# Altium PCB 19_2_Coupled_PP0.PcbDoc (part 5 of 5)
Units mil, origin at the board's own origin, x right, y up, seen from the top; angles counter-clockwise.
Board outline 3937.01 x 10826.77 mil, 10 copper layers (Layer_1 Top, Layer_2 GND Plane 1, Layer_3 Signal inner 1, Layer_4 Power Plane 1, Layer_5  Signal inner 2, Layer_6 GND Plane 2, Layer_7 Signal inner 3, Layer_8 Power Plane 2, Layer_9 GND Plane 3, Layer_10 Bottom), stack 69.4 mil thick; 120 components, 283 nets, 1231 pads, 1956 vias.
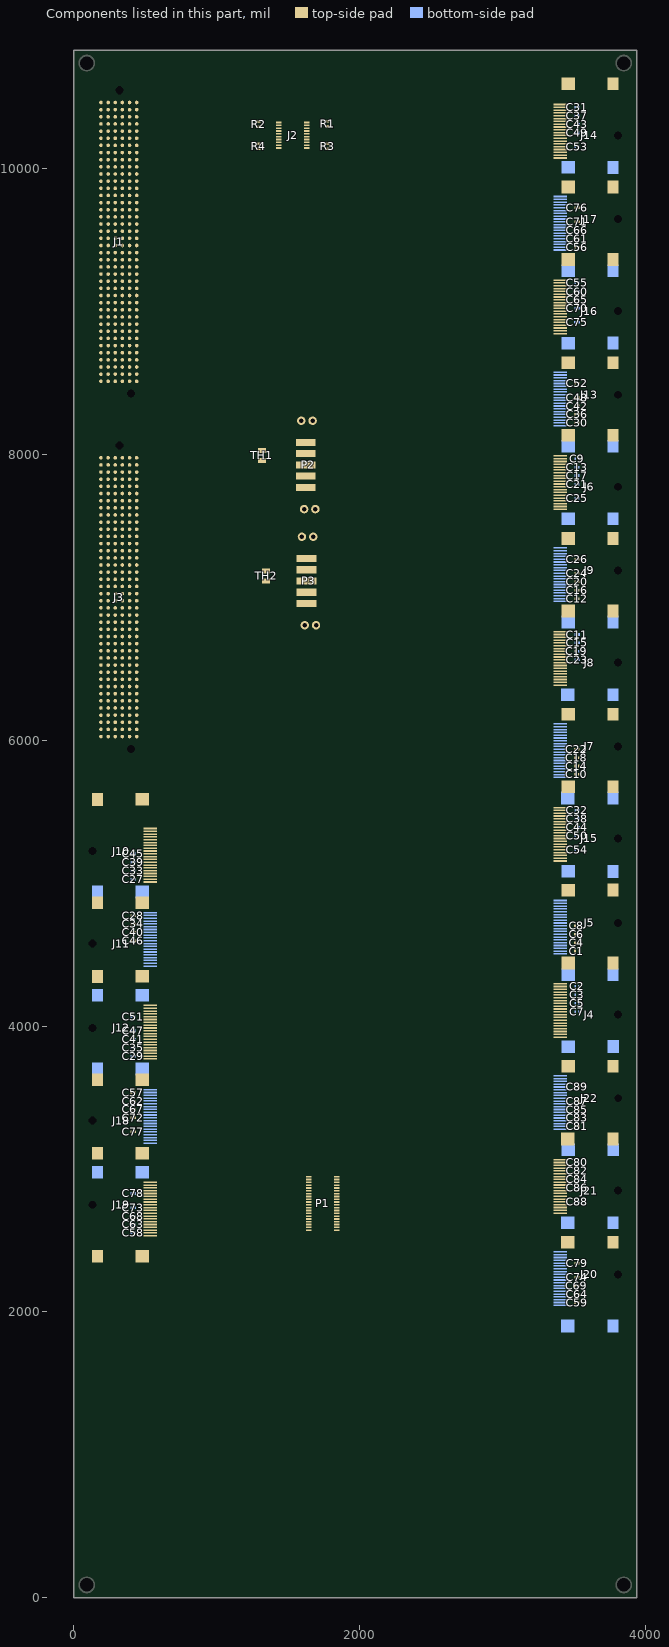
[diagram p13: the components of this part, seen from the top]

## Silkscreen, mask and mechanical layers (free items; w line width, h text height) (continued)
Drill Drawing:
  drawing of 690 lines, arcs and shapes, not listed
  text "Symbol" at -39.5,12422.5 h72
  text "Count" at 466.38,12422.5 h72
  text "Hole Size" at 1106.2,12422.5 h72
  text "Plated" at 2205.88,12422.5 h72
  text "Hole Type" at 2711.76,12422.5 h72
  text "Drill Layer Pair" at 3445.56,12422.5 h72
  text "Via/Pad" at 5235.02,12422.5 h72
  text "Pad Shape" at 5824.87,12422.5 h72
  text "Hole Tolerance (+)" at 6570.67,12422.5 h72
  text "Hole Tolerance (-)" at 7904.27,12422.5 h72
  text "1946" at 466.38,12272.5 h60
  text "0.152mm (6.00mil)" at 1106.2,12272.5 h60
  text "PTH" at 2205.88,12272.5 h60
  text "Round" at 2711.76,12272.5 h60
  text "Layer_1 Top - Layer_10 Bottom" at 3445.56,12272.5 h60
  text "Via" at 5235.02,12272.5 h60
  text "Rounded" at 5824.87,12272.5 h60
  text "8" at 466.38,12122.5 h60
  text "0.800mm (31.50mil)" at 1106.2,12122.5 h60
  text "PTH" at 2205.88,12122.5 h60
  text "Round" at 2711.76,12122.5 h60
  text "Layer_1 Top - Layer_10 Bottom" at 3445.56,12122.5 h60
  text "Pad" at 5235.02,12122.5 h60
  text "Rounded" at 5824.87,12122.5 h60
  text "10" at 466.38,11972.5 h60
  text "1.016mm (40.00mil)" at 1106.2,11972.5 h60
  text "PTH" at 2205.88,11972.5 h60
  text "Round" at 2711.76,11972.5 h60
  text "Layer_1 Top - Layer_10 Bottom" at 3445.56,11972.5 h60
  text "Via" at 5235.02,11972.5 h60
  text "Rounded" at 5824.87,11972.5 h60
  text "19" at 466.38,11822.5 h60
  text "1.400mm (55.12mil)" at 1106.2,11822.5 h60
  text "NPTH" at 2205.88,11822.5 h60
  text "Round" at 2711.76,11822.5 h60
  text "Layer_1 Top - Layer_10 Bottom" at 3445.56,11822.5 h60
  text "Pad" at 5235.02,11822.5 h60
  text "Rounded" at 5824.87,11822.5 h60
  text "4" at 466.38,11672.5 h60
  text "1.448mm (57.00mil)" at 1106.2,11672.5 h60
  text "NPTH" at 2205.88,11672.5 h60
  text "Round" at 2711.76,11672.5 h60
  text "Layer_1 Top - Layer_10 Bottom" at 3445.56,11672.5 h60
  text "Pad" at 5235.02,11672.5 h60
  text "Rounded" at 5824.87,11672.5 h60
  text "4" at 466.38,11522.5 h60
  text "2.400mm (94.49mil)" at 1106.2,11522.5 h60
  text "PTH" at 2205.88,11522.5 h60
  text "Round" at 2711.76,11522.5 h60
  text "Layer_1 Top - Layer_10 Bottom" at 3445.56,11522.5 h60
  text "Pad" at 5235.02,11522.5 h60
  text "Rounded" at 5824.87,11522.5 h60
  text "1991 Total" at 466.38,11372.5 h60
  text "Layer" at 4525.81,10863 h60
  text "Name" at 4935.72,10863 h60
  text "Material" at 6405.29,10863 h60
  text "Thickness" at 7455,10863 h60
  text "Constant" at 8104.84,10863 h60
  text "Board Layer Stack" at 8674.7,10863 h60
  text "Top Overlay" at 4935.72,10743 h60
  text "Top Solder" at 4935.72,10623 h60
  text "Solder Resist" at 6405.29,10623 h60
  text "0.40mil" at 7455,10623 h60
  text "3.5" at 8104.84,10623 h60
  text "1" at 4525.81,10503 h60
  text "Layer_1 Top" at 4935.72,10503 h60
  text "0.70mil" at 7455,10503 h60
  text "Dielectric1" at 4935.72,10383 h60
  text "isola terragreen" at 6405.29,10383 h60
  text "6.60mil" at 7455,10383 h60
  text "3.45" at 8104.84,10383 h60
  text "2" at 4525.81,10263 h60
  text "Layer_2 GND Plane 1" at 4935.72,10263 h60
  text "0.70mil" at 7455,10263 h60
  text "Dielectric2" at 4935.72,10143 h60
  text "isola terragreen" at 6405.29,10143 h60
  text "7.20mil" at 7455,10143 h60
  text "3.45" at 8104.84,10143 h60
  text "3" at 4525.81,10023 h60
  text "Layer_3 Signal inner 1" at 4935.72,10023 h60
  text "0.70mil" at 7455,10023 h60
  text "Dielectric 3" at 4935.72,9903 h60
  text "isola terragreen" at 6405.29,9903 h60
  text "6.60mil" at 7455,9903 h60
  text "3.45" at 8104.84,9903 h60
  text "4" at 4525.81,9783 h60
  text "Layer_4 Power Plane 1" at 4935.72,9783 h60
  text "0.70mil" at 7455,9783 h60
  text "Dielectric 4" at 4935.72,9663 h60
  text "isola terragreen" at 6405.29,9663 h60
  text "7.20mil" at 7455,9663 h60
  text "3.34" at 8104.84,9663 h60
  text "5" at 4525.81,9543 h60
  text "Layer_5  Signal inner 2" at 4935.72,9543 h60
  text "0.70mil" at 7455,9543 h60
  text "Dielectric 5" at 4935.72,9423 h60
  text "isola terragreen" at 6405.29,9423 h60
  text "6.60mil" at 7455,9423 h60
  text "3.45" at 8104.84,9423 h60
  text "6" at 4525.81,9303 h60
  text "Layer_6 GND Plane 2" at 4935.72,9303 h60
  text "0.70mil" at 7455,9303 h60
  text "Dielectric 6" at 4935.72,9183 h60
  text "isola terragreen" at 6405.29,9183 h60
  text "7.20mil" at 7455,9183 h60
  text "3.35" at 8104.84,9183 h60
  text "7" at 4525.81,9063 h60
  text "Layer_7 Signal inner 3" at 4935.72,9063 h60
  text "0.70mil" at 7455,9063 h60
  text "Dielectric 7" at 4935.72,8943 h60
  text "isola terragreen" at 6405.29,8943 h60
  text "6.60mil" at 7455,8943 h60
  text "3.45" at 8104.84,8943 h60
  text "8" at 4525.81,8823 h60
  text "Layer_8 Power Plane 2" at 4935.72,8823 h60
  text "0.70mil" at 7455,8823 h60
  text "Dielectric 8" at 4935.72,8703 h60
  text "isola terragreen" at 6405.29,8703 h60
  text "7.20mil" at 7455,8703 h60
  text "3.35" at 8104.84,8703 h60
  text "9" at 4525.81,8583 h60
  text "Layer_9 GND Plane 3" at 4935.72,8583 h60
  text "0.70mil" at 7455,8583 h60
  text "Dielectric 9" at 4935.72,8463 h60
  text "isola terragreen" at 6405.29,8463 h60
  text "7.20mil" at 7455,8463 h60
  text "3.45" at 8104.84,8463 h60
  text "10" at 4525.81,8343 h60
  text "Layer_10 Bottom" at 4935.72,8343 h60
  text "0.70mil" at 7455,8343 h60
  text "Bottom Solder" at 4935.72,8223 h60
  text "Solder Resist" at 6405.29,8223 h60
  text "0.40mil" at 7455,8223 h60
  text "3.5" at 8104.84,8223 h60
  text "Bottom Overlay" at 4935.72,8103 h60
  text "NOTES: (UNLESS OTHERWISE SPECIFIED)" at 4571.25,7632.24 h45
  text "1. BOARD LAYERS = 10" at 4747.35,7485.18 h45
  text "2. MATERIAL: ISOLA TERRAGREEN" at 4742.35,7405.18 h45
  text "3. SEE DETAIL\"A\" FOR BOARD STACK AND OVERALL FINISHED THICKNESS IS 0.070+/-0.005\"" at 4735,7318.56 h45
  text "4. PLATE THROUGH ALL HOLES" at 4735,7228.56 h45
  text "5. HOLE SIZES IN DRILL CHART ARE FINISHED DIAMETERS, SHALL HAVE A TOLERANCE OF +/- .003\"." at 4735,7133.56 h45
  text "6. FINISH: ENIG" at 4735,7043.56 h45
  text "7. SOLDERMASK: LPI, COLOR=GREEN ON BOTH SIDE." at 4730,6958.56 h45
  text "8. SILKSCREEN: WHITE NON-CONDUCTIVE EPOXY INK" at 4735,6878.56 h45
  text "9. BOARD MUST MEET IPC-A-600 CLASS 2, LESS" at 4735,6788.56 h45
  text "THAN 1.5% BOW AND TWIST, AND UL STANDARDS" at 4827,6702 h45
  text "10. 100% ELECTRICAL TEST OF ALL NETS." at 4700,6608.56 h45
  text "11. MARK BOARD SHOWING MANUFACTURER ID AND DATE CODE" at 4710,6533.56 h45
  text "12. TRIM BOARD ALONG TRIM LINE AND BREAK ALL SHARP EDGES." at 4700,6448.56 h45
  text "13. ALL DIFFERENTIAL PAIRS ARE CONTROLLED IMPEDANCE AT 100 OHMS +/-10% ON LAYER 1, 3, 5, 7 AND 10 (6/5/6)." at 4690,6360 h50
  text "DETAIL \"A\"" at 5029.9,5690 h50
  text "Layer 1 Top (1/2 oz Cu and Plating up to 1.5 oz Cu)" at 5801.11,5526.37 h40
  text "/" at 4842.4,5437.2 h50
  text "/" at 4904.9,5437.2 h50
  text "/" at 4967.4,5437.2 h50
  text "/" at 5029.9,5437.2 h50
  text "/" at 5092.4,5437.2 h50
  text "/" at 5154.9,5437.2 h50
  text "/" at 5217.4,5437.2 h50
  text "/" at 5279.9,5437.2 h50
  text "/" at 5342.4,5437.2 h50
  text "/" at 5404.9,5437.2 h50
  text "/" at 5467.4,5437.2 h50
  text "/" at 5529.9,5437.2 h50
  text "/" at 5592.4,5437.2 h50
  text "/" at 5654.9,5437.2 h50
  text "Dielectric" at 5806.11,5436.37 h40
  text "Layer 2 (1/2 oz Cu)" at 5806.11,5366.37 h40
  text "/" at 4842.4,5309.7 h37.5
  text "/" at 4904.9,5309.7 h37.5
  text "/" at 4967.4,5309.7 h37.5
  text "/" at 5029.9,5309.7 h37.5
  text "/" at 5092.4,5309.7 h37.5
  text "/" at 5154.9,5309.7 h37.5
  text "/" at 5217.4,5309.7 h37.5
  text "/" at 5279.9,5309.7 h37.5
  text "/" at 5342.4,5309.7 h37.5
  text "/" at 5404.9,5309.7 h37.5
  text "/" at 5467.4,5309.7 h37.5
  text "/" at 5529.9,5309.7 h37.5
  text "/" at 5592.4,5309.7 h37.5
  text "/" at 5654.9,5309.7 h37.5
  text "Dielectric" at 5806.11,5296.37 h37.5
  text "Layer 3 (1/2 oz Cu)" at 5806.11,5226.37 h40
  text "Dielectric" at 5806.11,5161.37 h37.5
  text "/" at 4854.9,5147.2 h50
  text "/" at 4917.4,5147.2 h50
  text "/" at 4979.9,5147.2 h50
  text "/" at 5042.4,5147.2 h50
  text "/" at 5104.9,5147.2 h50
  text "/" at 5167.4,5147.2 h50
  text "/" at 5229.9,5147.2 h50
  text "/" at 5292.4,5147.2 h50
  text "/" at 5354.9,5147.2 h50
  text "/" at 5417.4,5147.2 h50
  text "/" at 5479.9,5147.2 h50
  text "/" at 5542.4,5147.2 h50
  text "/" at 5604.9,5147.2 h50
  text "/" at 5667.4,5147.2 h50
  text "Layer 4 (1/2 oz Cu)" at 5808.67,5090.27 h40
  text "Dielectric" at 5811.11,5021.37 h37.5
  text "/" at 4847.4,5002.2 h50
  text "/" at 4909.9,5002.2 h50
  text "/" at 4972.4,5002.2 h50
  text "/" at 5034.9,5002.2 h50
  text "/" at 5097.4,5002.2 h50
  text "/" at 5159.9,5002.2 h50
  text "/" at 5222.4,5002.2 h50
  text "/" at 5284.9,5002.2 h50
  text "/" at 5347.4,5002.2 h50
  text "/" at 5409.9,5002.2 h50
  text "/" at 5472.4,5002.2 h50
  text "/" at 5534.9,5002.2 h50
  text "/" at 5597.4,5002.2 h50
  text "/" at 5659.9,5002.2 h50
  text "Layer 5 (1/2 oz Cu)" at 5813.67,4950.27 h40
  text "Dielectric" at 5816.11,4876.37 h37.5
  text "/" at 4847.4,4859.7 h50
  text "/" at 4909.9,4859.7 h50
  text "/" at 4972.4,4859.7 h50
  text "/" at 5034.9,4859.7 h50
  text "/" at 5097.4,4859.7 h50
  text "/" at 5159.9,4859.7 h50
  text "/" at 5222.4,4859.7 h50
  text "/" at 5284.9,4859.7 h50
  text "/" at 5347.4,4859.7 h50
  text "/" at 5409.9,4859.7 h50
  text "/" at 5472.4,4859.7 h50
  text "/" at 5534.9,4859.7 h50
  text "/" at 5597.4,4859.7 h50
  text "/" at 5659.9,4859.7 h50
  text "Layer 6 (1/2 oz Cu)" at 5818.67,4800.27 h40
  text "Dielectric" at 5821.11,4716.37 h37.5
  text "/" at 4852.4,4707.2 h50
  text "/" at 4914.9,4707.2 h50
  text "/" at 4977.4,4707.2 h50
  text "/" at 5039.9,4707.2 h50
  text "/" at 5102.4,4707.2 h50
  text "/" at 5164.9,4707.2 h50
  text "/" at 5227.4,4707.2 h50
  text "/" at 5289.9,4707.2 h50
  text "/" at 5352.4,4707.2 h50
  text "/" at 5414.9,4707.2 h50
  text "/" at 5477.4,4707.2 h50
  text "/" at 5539.9,4707.2 h50
  text "/" at 5602.4,4707.2 h50
  text "/" at 5664.9,4707.2 h50
  text "Layer 7 (1/2 oz Cu)" at 5823.67,4630.27 h40
  text "Dielectric" at 5825,4550 h40
  text "/" at 4860.54,4541.19 h50
  text "/" at 4923.04,4541.19 h50
  text "/" at 4985.54,4541.19 h50
  text "/" at 5048.04,4541.19 h50
  text "/" at 5110.54,4541.19 h50
  text "/" at 5173.04,4541.19 h50
  text "/" at 5235.54,4541.19 h50
  text "/" at 5298.04,4541.19 h50
  text "/" at 5360.54,4541.19 h50
  text "/" at 5423.04,4541.19 h50
  text "/" at 5485.54,4541.19 h50
  text "/" at 5548.04,4541.19 h50
  text "/" at 5610.54,4541.19 h50
  text "/" at 5673.04,4541.19 h50
  text "Layer 8 (1/2 oz Cu)" at 5831.81,4464.26 h40
  text "Dielectric" at 5826.81,4395 h40
  text "/" at 4860.54,4378.69 h50
  text "/" at 4923.04,4378.69 h50
  text "/" at 4985.54,4378.69 h50
  text "/" at 5048.04,4378.69 h50
  text "/" at 5110.54,4378.69 h50
  text "/" at 5173.04,4378.69 h50
  text "/" at 5235.54,4378.69 h50
  text "/" at 5298.04,4378.69 h50
  text "/" at 5360.54,4378.69 h50
  text "/" at 5423.04,4378.69 h50
  text "/" at 5485.54,4378.69 h50
  text "/" at 5548.04,4378.69 h50
  text "/" at 5610.54,4378.69 h50
  text "/" at 5673.04,4378.69 h50
  text "Layer 9 (1/2 oz Cu)" at 5826.81,4324.26 h40
  text "Dielectric" at 5824.25,4245.36 h40
  text "/" at 4855.54,4238.69 h50
  text "/" at 4918.04,4238.69 h50
  text "/" at 4980.54,4238.69 h50
  text "/" at 5043.04,4238.69 h50
  text "/" at 5105.54,4238.69 h50
  text "/" at 5168.04,4238.69 h50
  text "/" at 5230.54,4238.69 h50
  text "/" at 5293.04,4238.69 h50
  text "/" at 5355.54,4238.69 h50
  text "/" at 5418.04,4238.69 h50
  text "/" at 5480.54,4238.69 h50
  text "/" at 5543.04,4238.69 h50
  text "/" at 5605.54,4238.69 h50
  text "/" at 5668.04,4238.69 h50
  text "Layer 10 Bottom (1/2 oz Cu and Plating up to 1.5 oz Cu)" at 5832.26,4165.3 h40
  text "0.070 +/- 0.005\"" at 5060,3935 h40
  text "Drill Drawing" at 7237,1059 h45
  text "17" at 8935.72,1050.11 h45
  text "17" at 9318,1049 h45
  text "PC-" at 7111,196 h70

## Dimensions
0,0 to 0,10826.77 on Drill Drawing
0,10826.77 to 3937.01,10826.76 on Drill Drawing

## Text inside footprints (layer, text, board x,y; h text height)
J1: Top Overlay "F" at 206,8463 h30 r90; Top Overlay "E" at 255,8463 h30 r90; Top Overlay "40" at 160,10430 h30 r90; Top Overlay "D" at 306,8463 h30 r90; Top Overlay "B" at 406,8463 h30 r90; Top Overlay "C" at 357,8463 h30 r90; Top Overlay "A" at 454,8463 h30 r90; Top Overlay "1" at 160,8505 h30 r90
J2: Top Overlay "1" at 1417,10361 h35 r270; Top Overlay "2" at 1617,10366 h35 r270
J3: Top Overlay "1" at 160,6020 h30 r90; Top Overlay "A" at 454,5978 h30 r90; Top Overlay "C" at 357,5978 h30 r90; Top Overlay "B" at 406,5978 h30 r90; Top Overlay "D" at 306,5978 h30 r90; Top Overlay "40" at 160,7945 h30 r90; Top Overlay "E" at 255,5978 h30 r90; Top Overlay "F" at 206,5978 h30 r90
J4: Top Overlay "PCB EDGE" at 3925.54,3970.72 h30 r90
J5: Bottom Overlay "PCB EDGE" at 3925.11,4830.25 h30 r90
J6: Top Overlay "PCB EDGE" at 3925.54,7662.72 h30 r90
J7: Bottom Overlay "PCB EDGE" at 3924.54,6065.23 h30 r90
J8: Top Overlay "PCB EDGE" at 3925.11,6432.72 h30 r90
J9: Bottom Overlay "PCB EDGE" at 3925.54,7296.23 h30 r90
J10: Top Overlay "PCB EDGE" at 11.81,5333.66 h30 r270
J11: Bottom Overlay "PCB EDGE" at 11.81,4467.77 h30 r270
J12: Top Overlay "PCB EDGE" at 11.81,4095.91 h30 r270
J13: Bottom Overlay "PCB EDGE" at 3925.54,8525.23 h30 r90
J14: Top Overlay "PCB EDGE" at 3925.2,10120.28 h30 r90
J15: Top Overlay "PCB EDGE" at 3925.54,5202.72 h30 r90
J16: Top Overlay "PCB EDGE" at 3925.54,8891.72 h30 r90
J17: Bottom Overlay "PCB EDGE" at 3925.54,9754.28 h30 r90
J18: Bottom Overlay "PCB EDGE" at 11.81,3229.06 h30 r270
J19: Top Overlay "PCB EDGE" at 11.81,2859.1 h30 r270
J20: Bottom Overlay "PCB EDGE" at 3924.54,2372.5 h30 r90
J21: Top Overlay "PCB EDGE" at 3924.54,2739.72 h30 r90
J22: Bottom Overlay "PCB EDGE" at 3926.11,3604.23 h30 r90
P2: Top Overlay "1" at 1755.84,8078.53 h45 r90
P3: Top Overlay "1" at 1760.26,7266.67 h45 r90